# Altium PCB PCB1-nano-withlogo-SMT.PcbDoc (part 3 of 5)
Units mil, origin at the board's own origin, x right, y up, seen from the top; angles counter-clockwise.
Board outline 3300 x 2100 mil, 2 copper layers (Top Layer, Bottom Layer); 48 components, 47 nets, 232 pads, 66 vias.
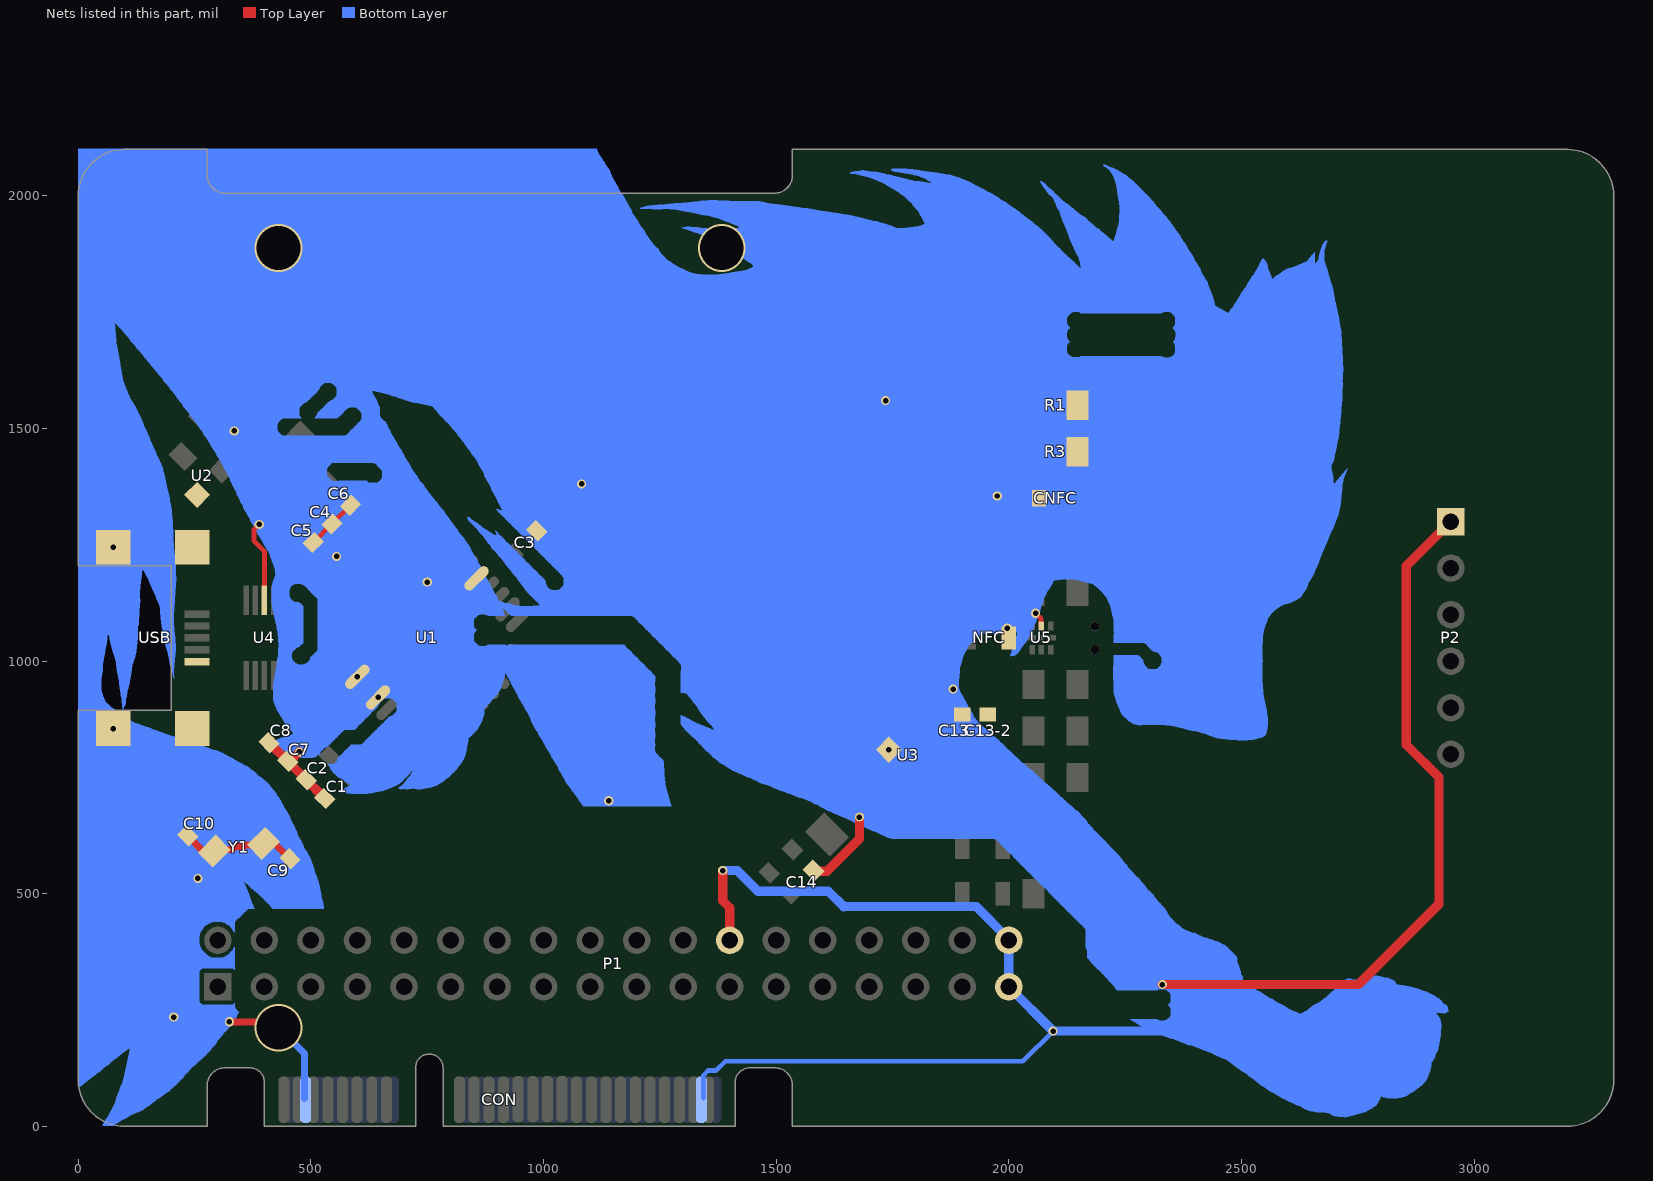
[diagram p3: the nets of this part, all layers, seen from the top]

## Via types
v1: diameter 19.68, hole 11.81, Top Layer to Bottom Layer, 55 vias
v2: diameter 20, hole 19.5, Top Layer to Bottom Layer, tented both sides, 8 vias
v3: diameter 102.36, hole 94.49, Top Layer to Bottom Layer, 3 vias

## Nets (pads, with @x,y where several pads share a name; then routed paths per layer and width w, separated by ;. In a path a pad name is that pad's centre, name@x,y a point inside that pad or via, vN(x,y) a via of type N, cw(c..) or ccw(c..) an arc to the next point about the centre after c; other vN are vias at no path point) (continued)
GND: (continued)
  Bottom Layer w1: 215,1564 497,1564 ; 216,1562 494,1562 ; 216,1563 496,1563 ; 217,1561 493,1561 ; 218,1560 492,1560 ; 219,1558 490,1558 ; 219,1559 491,1559 ; 220,1557 489,1557 ; 221,1556 489,1556 ; 222,1554 483,1554 ; 222,1555 485,1555 ; 223,1553 482,1553 ; 224,1551 480,1551 ; 224,1552 481,1552 ; 225,1550 479,1550 ; 226,1548 477,1548 ; 226,1549 478,1549 ; 227,1547 476,1547 ; 228,1546 476,1546 ; 229,1545 475,1545 ; 230,1543 475,1543 ; 230,1544 475,1544 ; 231,1542 475,1542 ; 232,1541 475,1541 ; 233,1539 475,1539 ; 233,1540 475,1540 ; 234,1538 475,1538 ; 235,1537 475,1537 ; 236,1536 475,1536 ; 237,1535 475,1535 ; 238,1533 475,1533 ; 238,1534 475,1534 ; 239,1532 475,1532 ; 240,1530 475,1530 ; 240,1531 475,1531 ; 241,1529 475,1529 ; 242,1528 475,1528 ; 243,1526 476,1526 ; 243,1527 476,1527 ; 244,1525 477,1525 ; 245,1524 478,1524 ; 246,1522 439,1522 ; 246,1523 479,1523 ; 247,1521 437,1521 ; 248,1520 435,1520 ; 249,1519 434,1519 ; 250,1517 432,1517 ; 250,1518 433,1518 ; 251,1516 431,1516 ; 252,1515 430,1515 ; 253,1513 429,1513 ; 253,1514 430,1514 ; 254,1512 429,1512 ; 255,1511 429,1511 ; 256,1509 428,1509 ; 256,1510 428,1510 ; 257,1508 428,1508 ; 258,1506 428,1506 ; 258,1507 428,1507 ; 259,1505 428,1505 ; 260,1503 428,1503 ; 260,1504 428,1504 ; 261,1502 428,1502 ; 262,1500 428,1500 ; 262,1501 428,1501 ; 263,1499 428,1499 ; 264,1497 428,1497 ; 264,1498 428,1498 ; 265,1496 429,1496 ; 266,1494 429,1494 ; 266,1495 429,1495 ; 267,1493 430,1493 ; 268,1491 432,1491 ; 268,1492 431,1492 ; 269,1490 433,1490 ; 270,1488 435,1488 ; 270,1489 434,1489 ; 271,1487 436,1487 ; 272,1485 441,1485 ; 272,1486 438,1486 ; 273,1484 676,1484 ; 274,1482 677,1482 ; 274,1483 676,1483 ; 275,1481 678,1481 ; 276,1479 679,1479 ; 276,1480 678,1480 ; 277,1478 679,1478 ; 278,1476 680,1476 ; 278,1477 680,1477 ; 279,1474 682,1474 ; 279,1475 681,1475 ; 280,1473 682,1473 ; 281,1471 683,1471 ; 281,1472 683,1472 ; 282,1469 684,1469 ; 282,1470 684,1470 ; 283,1468 685,1468 ; 284,1466 686,1466 ; 284,1467 686,1467 ; 285,1465 687,1465 ; 286,1463 688,1463 ; 286,1464 688,1464 ; 287,1461 689,1461 ; 287,1462 689,1462 ; 288,1460 690,1460 ; 289,1458 691,1458 ; 289,1459 691,1459 ; 290,1456 692,1456 ; 290,1457 692,1457 ; 291,1455 693,1455 ; 292,1453 694,1453 ; 292,1454 694,1454 ; 293,1451 695,1451 ; 293,1452 695,1452 ; 294,1450 696,1450 ; 295,1448 697,1448 ; 295,1449 696,1449 ; 296,1447 698,1447 ; 297,1445 699,1445 ; 297,1446 698,1446 ; 298,1443 700,1443 ; 298,1444 699,1444 ; 299,1442 700,1442 ; 300,1440 701,1440 ; 300,1441 701,1441 ; 301,1438 702,1438 ; 301,1439 702,1439 ; 302,1437 703,1437 ; 303,1435 704,1435 ; 303,1436 704,1436 ; 304,1433 705,1433 ; 304,1434 705,1434 ; 305,1431 707,1431 ; 305,1432 706,1432 ; 306,1430 707,1430 ; 307,1428 708,1428 ; 307,1429 708,1429 ; 308,1426 545,1426 ; 308,1427 709,1427 ; 309,440 336,440 ; 309,1424 542,1424 ; 309,1425 543,1425 ; 310,1422 540,1422 ; 310,1423 541,1423 ; 311,364 336,364 ; 311,1420 538,1420 ; 311,1421 539,1421 ; 312,1419 537,1419 ; 313,439 336,439 ; 313,1417 535,1417 ; 313,1418 536,1418 ; 314,365 336,365 ; 314,1415 535,1415 ; 314,1416 535,1416 ; 315,1413 534,1413 ; 315,1414 534,1414 ; 316,438 336,438 ; 316,1412 534,1412 ; 317,366 336,366 ; 317,1410 534,1410 ; 317,1411 534,1411 ; 318,367 336,367 ; 318,437 336,437 ; 318,1408 534,1408 ; 318,1409 534,1409 ; 319,436 336,436 ; 319,1406 534,1406 ; 319,1407 534,1407 ; 320,368 336,368 ; 320,435 336,435 ; 320,1404 534,1404 ; 320,1405 534,1405 ; 321,369 336,369 ; 321,1402 534,1402 ; 321,1403 534,1403 ; 322,434 336,434 ; 322,1400 534,1400 ; 322,1401 534,1401 ; 323,370 336,370 ; 323,433 336,433 ; 323,1397 536,1397 ; 323,1398 536,1398 ; 323,1399 535,1399 ; 324,371 336,371 ; 324,1395 538,1395 ; 324,1396 537,1396 ; v1@324.84,217 v1(324.84,225) ; v1@324.84,218 v1(324.84,225) ; v1@324.84,219 v1(324.84,225) ; v1@324.84,220 v1(324.84,225) ; v1@324.84,221 v1(324.84,225) ; v1@324.84,222 v1(324.84,225) ; v1@324.84,223 v1(324.84,225) ; v1@324.84,224 v1(324.84,225) ; v1@324.84,226 v1(324.84,225) ; v1@324.84,227 v1(324.84,225) ; v1@324.84,228 v1(324.84,225) ; v1@324.84,229 v1(324.84,225) ; v1@324.84,230 v1(324.84,225) ; v1@324.84,231 v1(324.84,225) ; v1@324.84,232 v1(324.84,225) ; v1@324.84,233 v1(324.84,225) ; 325,372 336,372 ; 325,432 336,432 ; 325,1393 540,1393 ; 325,1394 539,1394 ; 326,373 336,373 ; 326,431 336,431 ; 326,1391 542,1391 ; 326,1392 541,1392 ; 327,374 336,374 ; 327,430 336,430 ; 327,1389 544,1389 ; 327,1390 543,1390 ; 328,375 336,375 ; 328,429 336,429 ; 328,1387 621,1387 ; 328,1388 547,1388 ; 329,376 336,376 ; 329,428 336,428 ; 329,1385 623,1385 ; 329,1386 622,1386 ; 330,377 336,377 ; 330,426 336,426 ; 330,427 336,427 ; 330,1383 738,1383 ; 330,1384 625,1384 ; 331,378 336,378 ; 331,425 336,425 ; 331,1380 741,1380 ; 331,1381 740,1381 ; 331,1382 739,1382 ; 332,379 336,379 ; 332,380 336,380 ; 332,423 336,423 ; 332,424 336,424 ; 332,1378 742,1378 ; 332,1379 742,1379 ; 333,263 336,263 ; 333,340 336,340 ; 333,381 336,381 ; 333,382 336,382 ; 333,422 336,422 ; 333,1376 744,1376 ; 333,1377 743,1377 ; 334,264 336,264 ; 334,339 336,339 ; 334,383 336,383 ; 334,384 336,384 ; 334,420 336,420 ; 334,421 336,421 ; 334,1374 745,1374 ; 334,1375 745,1375 ; 335,265 336,265 ; 335,338 336,338 ; 335,385 336,385 ; 335,418 336,418 ; 335,419 336,419 ; 335,1372 747,1372 ; 335,1373 746,1373 ; 336,1370 748,1370 ; 336,1371 747,1371 ; 337,1368 749,1368 ; 337,1369 749,1369 ; 338,1366 751,1366 ; 338,1367 750,1367 ; 339,1364 752,1364 ; 339,1365 751,1365 ; 340,1361 754,1361 ; 340,1362 753,1362 ; 340,1363 753,1363 ; 341,1359 756,1359 ; 341,1360 755,1360 ; 342,1357 757,1357 ; 342,1358 757,1358 ; 343,1355 759,1355 ; 343,1356 758,1356 ; 344,1354 760,1354 ; 345,1352 762,1352 ; 345,1353 761,1353 ; 346,1349 764,1349 ; 346,1350 763,1350 ; 346,1351 762,1351 ; 347,1347 766,1347 ; 347,1348 765,1348 ; 348,1344 768,1344 ; 348,1345 767,1345 ; 348,1346 766,1346 ; 349,1342 770,1342 ; 349,1343 769,1343 ; 350,1341 770,1341 ; 351,1339 772,1339 ; 351,1340 771,1340 ; 352,1337 774,1337 ; 352,1338 773,1338 ; 353,1335 775,1335 ; 353,1336 774,1336 ; 354,1333 777,1333 ; 354,1334 776,1334 ; 355,1331 778,1331 ; 355,1332 778,1332 ; 356,527 516,527 ; 356,1329 780,1329 ; 356,1330 779,1330 ; 357,526 516,526 ; 357,1327 782,1327 ; 357,1328 781,1328 ; 358,1325 783,1325 ; 358,1326 782,1326 ; 359,525 517,525 ; 359,1323 785,1323 ; 359,1324 784,1324 ; 360,524 361,524 ; 360,1322 786,1322 ; 361,523 362,523 ; 361,1320 787,1320 ; 361,1321 786,1321 ; 362,524 517,524 ; 362,1318 789,1318 ; 362,1319 788,1319 ; 363,523 517,523 ; 363,1316 790,1316 ; 363,1317 790,1317 ; 364,522 517,522 ; 364,1314 792,1314 ; 364,1315 791,1315 ; 365,519 518,519 ; 365,521 518,521 ; 365,1312 793,1312 ; 365,1313 792,1313 ; 366,518 518,518 ; 366,520 518,520 ; 366,1311 794,1311 ; 367,517 518,517 ; 367,1309 795,1309 ; 367,1310 794,1310 ; 368,1307 796,1307 ; 368,1308 796,1308 ; 369,516 370,516 ; 369,1305 798,1305 ; 369,1306 797,1306 ; 370,515 371,515 ; 370,1303 799,1303 ; 370,1304 798,1304 ; 371,514 372,514 ; 371,516 519,516 ; 371,1302 800,1302 ; 372,513 373,513 ; 372,515 519,515 ; 372,1300 801,1300 ; 372,1301 801,1301 ; 373,512 374,512 ; 373,514 519,514 ; 373,1298 803,1298 ; 373,1299 802,1299 ; 374,511 375,511 ; 374,513 519,513 ; 374,1296 805,1296 ; 374,1297 804,1297 ; 375,512 519,512 ; 375,1294 v1(389,1294) 806,1294 ; 375,1295 805,1295 ; 376,511 520,511 ; 376,1292 808,1292 ; 376,1293 807,1293 ; 377,510 520,510 ; 377,1291 808,1291 ; 378,507 379,507 ; 378,509 520,509 ; 378,1289 810,1289 ; 378,1290 809,1290 ; 379,508 520,508 ; 379,1287 811,1287 ; 379,1288 810,1288 ; 380,507 520,507 ; 380,1285 813,1285 ; 380,1286 812,1286 ; 381,506 520,506 ; 381,1283 814,1283 ; 381,1284 813,1284 ; 382,505 521,505 ; 382,1281 815,1281 ; 382,1282 815,1282 ; 383,504 521,504 ; 383,1280 816,1280 ; 384,503 521,503 ; 384,1278 817,1278 ; 384,1279 817,1279 ; 385,1276 819,1276 ; 385,1277 818,1277 ; 386,502 521,502 ; 386,1274 821,1274 ; 386,1275 820,1275 ; 387,501 521,501 ; 387,1273 821,1273 ; 388,500 522,500 ; 388,1271 823,1271 ; 388,1272 822,1272 ; 389,499 522,499 ; 389,1269 825,1269 ; 389,1270 824,1270 ; 390,498 522,498 ; 390,1268 825,1268 ; 391,497 522,497 ; 391,1266 827,1266 ; 391,1267 826,1267 ; 392,496 522,496 ; 392,1264 829,1264 ; 392,1265 828,1265 ; 393,495 522,495 ; 393,1262 830,1262 ; 393,1263 829,1263 ; 394,494 522,494 ; 394,1261 831,1261 ; 395,493 522,493 ; 395,1259 832,1259 ; 395,1260 832,1260 ; 396,492 523,492 ; 396,1257 834,1257 ; 396,1258 833,1258 ; 397,491 523,491 ; 397,1255 835,1255 ; 397,1256 834,1256 ; 398,490 523,490 ; 398,1254 836,1254 ; 399,489 523,489 ; 399,1252 837,1252 ; 399,1253 836,1253 ; 400,488 524,488 ; 400,1250 838,1250 ; 400,1251 838,1251 ; 401,487 524,487 ; 401,1249 839,1249 ; 402,486 524,486 ; 402,1247 840,1247 ; 402,1248 840,1248 ; 403,485 525,485 ; 403,1245 841,1245 ; 403,1246 841,1246 ; 404,484 525,484 ; 404,1243 842,1243 ; 404,1244 842,1244 ; 405,483 525,483 ; 405,821 539,821 ; 405,822 540,822 ; 405,823 541,823 ; 405,1242 843,1242 ; 406,482 525,482 ; 406,1240 844,1240 ; 406,1241 843,1241 ; 407,481 526,481 ; 407,820 538,820 ; 407,824 542,824 ; 407,1238 845,1238 ; 407,1239 844,1239 ; 408,480 526,480 ; 408,1237 845,1237 ; 409,479 526,479 ; 409,819 537,819 ; 409,1235 847,1235 ; 409,1236 846,1236 ; 410,478 526,478 ; 410,1233 848,1233 ; 410,1234 847,1234 ; 411,477 526,477 ; 411,818 536,818 ; 411,825 543,825 ; 411,1230 850,1230 ; 411,1231 849,1231 ; 411,1232 848,1232 ; 412,476 526,476 ; 412,1228 851,1228 ; 412,1229 850,1229 ; 413,474 526,474 ; 413,475 526,475 ; 413,1226 852,1226 ; 413,1227 851,1227 ; 414,473 527,473 ; 414,826 544,826 ; 414,1223 854,1223 ; 414,1224 853,1224 ; 414,1225 853,1225 ; 415,472 527,472 ; 415,817 535,817 ; 415,1220 855,1220 ; 415,1221 855,1221 ; 415,1222 854,1222 ; 416,471 527,471 ; 416,827 545,827 ; 416,1124 477,1124 ; 416,1125 476,1125 ; 416,1126 475,1126 ; 416,1127 474,1127 ; 416,1128 465,1128 ; 416,1129 463,1129 ; 416,1130 461,1130 ; 416,1131 460,1131 ; 416,1132 459,1132 ; 416,1133 458,1133 ; 416,1134 457,1134 ; 416,1135 456,1135 ; 416,1136 455,1136 ; 416,1137 454,1137 ; 416,1138 454,1138 ; 416,1139 454,1139 ; 416,1140 453,1140 ; 416,1141 453,1141 ; 416,1142 453,1142 ; 416,1143 453,1143 ; 416,1144 453,1144 ; 416,1145 453,1145 ; 416,1146 453,1146 ; 416,1147 453,1147 ; 416,1148 453,1148 ; 416,1149 453,1149 ; 416,1150 453,1150 ; 416,1151 453,1151 ; 416,1152 453,1152 ; 416,1153 453,1153 ; 416,1154 453,1154 ; 416,1155 454,1155 ; 416,1156 454,1156 ; 416,1157 454,1157 ; 416,1158 455,1158 ; 416,1217 857,1217 ; 416,1218 856,1218 ; 416,1219 856,1219 ; 417,470 527,470 ; 417,1118 483,1118 ; 417,1119 482,1119 ; 417,1120 481,1120 ; 417,1121 480,1121 ; 417,1122 479,1122 ; 417,1123 478,1123 ; 417,1159 455,1159 ; 417,1160 456,1160 ; 417,1161 457,1161 ; 417,1162 458,1162 ; 417,1163 459,1163 ; 417,1164 460,1164 ; 417,1214 859,1214 ; 417,1215 858,1215 ; 417,1216 858,1216 ; 418,469 527,469 ; 418,1112 483,1112 ; 418,1113 483,1113 ; 418,1114 483,1114 ; 418,1115 483,1115 ; 418,1116 483,1116 ; 418,1117 483,1117 ; 418,1165 462,1165 ; 418,1166 465,1166 ; 418,1167 884,1167 ; 418,1168 883,1168 ; 418,1169 882,1169 ; 418,1170 882,1170 ; 418,1171 881,1171 ; 418,1212 860,1212 ; 418,1213 859,1213 ; 419,816 534,816 ; 419,828 546,828 ; 419,916 v1@652,916 ; 419,917 653,917 ; 419,918 654,918 ; 419,919 655,919 ; 419,920 658,920 ; 419,921 893,921 ; 419,922 893,922 ; 419,923 894,923 ; 419,924 895,924 ; 419,925 896,925 ; 419,926 896,926 ; 419,927 897,927 ; 419,928 898,928 ; 419,929 899,929 ; 419,930 900,930 ; 419,931 901,931 ; 419,932 902,932 ; 419,933 903,933 ; 419,934 903,934 ; 419,935 904,935 ; 419,936 905,936 ; 419,937 905,937 ; 419,938 906,938 ; 419,939 906,939 ; 419,940 907,940 ; 419,941 907,941 ; 419,942 908,942 ; 419,943 908,943 ; 419,944 908,944 ; 419,945 909,945 ; 419,946 909,946 ; 419,947 909,947 ; 419,948 910,948 ; 419,949 910,949 ; 419,950 910,950 ; 419,951 911,951 ; 419,952 911,952 ; 419,1107 483,1107 ; 419,1108 483,1108 ; 419,1109 483,1109 ; 419,1110 483,1110 ; 419,1111 483,1111 ; 419,1172 881,1172 ; 419,1173 880,1173 ; 419,1209 862,1209 ; 419,1210 861,1210 ; 419,1211 860,1211 ; 420,913 649,913 ; 420,914 v1@650,914 ; 420,915 v1@651,915 ; 420,953 911,953 ; 420,954 911,954 ; 420,955 912,955 ; 420,956 912,956 ; 420,957 912,957 ; 420,958 913,958 ; 420,1102 483,1102 ; 420,1103 483,1103 ; 420,1104 483,1104 ; 420,1105 483,1105 ; 420,1106 483,1106 ; 420,1174 880,1174 ; 420,1175 879,1175 ; 420,1176 879,1176 ; 420,1205 864,1205 ; 420,1206 863,1206 ; 420,1207 863,1207 ; 420,1208 862,1208 ; 421,911 648,911 ; 421,912 648,912 ; 421,959 913,959 ; 421,960 913,960 ; 421,961 913,961 ; 421,962 914,962 ; 421,963 914,963 ; 421,964 914,964 ; 421,1097 483,1097 ; 421,1098 483,1098 ; 421,1099 483,1099 ; 421,1100 483,1100 ; 421,1101 483,1101 ; 421,1177 878,1177 ; 421,1178 878,1178 ; 421,1202 866,1202 ; 421,1203 865,1203 ; 421,1204 865,1204 ; 422,815 530,815 ; 422,829 547,829 ; 422,907 646,907 ; 422,908 646,908 ; 422,909 646,909 ; 422,910 647,910 ; 422,965 915,965 ; 422,966 915,966 ; 422,967 915,967 ; 422,968 915,968 ; 422,969 916,969 ; 422,970 916,970 ; 422,971 916,971 ; 422,1092 483,1092 ; 422,1093 483,1093 ; 422,1094 483,1094 ; 422,1095 483,1095 ; 422,1096 483,1096 ; 422,1179 877,1179 ; 422,1180 877,1180 ; 422,1181 876,1181 ; 422,1182 876,1182 ; 422,1198 868,1198 ; 422,1199 868,1199 ; 422,1200 867,1200 ; 422,1201 866,1201 ; 423,904 644,904 ; 423,905 645,905 ; 423,906 645,906 ; 423,972 916,972 ; 423,973 917,973 ; 423,974 917,974 ; 423,975 917,975 ; 423,976 1232,976 ; 423,1087 483,1087 ; 423,1088 483,1088 ; 423,1089 483,1089 ; 423,1090 483,1090 ; 423,1091 483,1091 ; 423,1183 875,1183 ; 423,1184 875,1184 ; 423,1188 873,1188 ; 423,1189 873,1189 ; 423,1190 872,1190 ; 423,1191 872,1191 ; 423,1192 871,1192 ; 423,1193 871,1193 ; 423,1194 870,1194 ; 423,1195 870,1195 ; 423,1196 869,1196 ; 423,1197 869,1197 ; 424,830 548,830 ; 424,903 643,903 ; 424,977 1231,977 ; 424,978 1230,978 ; 424,979 1229,979 ; 424,980 1228,980 ; 424,981 1227,981 ; 424,982 1226,982 ; 424,983 1225,983 ; 424,1082 483,1082 ; 424,1083 483,1083 ; 424,1084 483,1084 ; 424,1085 483,1085 ; 424,1086 483,1086 ; 424,1185 874,1185 ; 424,1186 874,1186 ; 424,1187 874,1187 ; 425,814 528,814 ; 425,901 641,901 ; 425,902 642,902 ; 425,984 1224,984 ; 425,985 1223,985 ; 425,986 1222,986 ; 425,987 1221,987 ; 425,988 1220,988 ; 425,989 1219,989 ; 425,990 1218,990 ; 425,1078 483,1078 ; 425,1079 483,1079 ; 425,1080 483,1080 ; 425,1081 483,1081 ; 426,899 639,899 ; 426,900 640,900 ; 426,991 1217,991 ; 426,992 1216,992 ; 426,993 473,993 ; 426,994 469,994 ; 426,995 468,995 ; 426,996 467,996 ; 426,1074 483,1074 ; 426,1075 483,1075 ; 426,1076 483,1076 ; 426,1077 483,1077 ; 427,813 527,813 ; 427,831 549,831 ; 427,897 637,897 ; 427,898 638,898 ; 427,997 466,997 ; 427,998 465,998 ; 427,999 464,999 ; 427,1000 463,1000 ; 427,1070 483,1070 ; 427,1071 483,1071 ; 427,1072 483,1072 ; 427,1073 483,1073 ; 428,895 635,895 ; 428,896 636,896 ; 428,1001 462,1001 ; 428,1002 461,1002 ; 428,1003 460,1003 ; 428,1004 460,1004 ; 428,1066 483,1066 ; 428,1067 483,1067 ; 428,1068 483,1068 ; 428,1069 483,1069 ; 429,832 550,832 ; 429,893 633,893 ; 429,894 634,894 ; 429,1005 460,1005 ; 429,1006 460,1006 ; 429,1007 459,1007 ; 429,1008 459,1008 ; 429,1009 459,1009 ; 429,1057 483,1057 ; 429,1058 483,1058 ; 429,1059 483,1059 ; 429,1060 483,1060 ; 429,1061 483,1061 ; 429,1062 483,1062 ; 429,1063 483,1063 ; 429,1064 483,1064 ; 429,1065 483,1065 ; 430,812 526,812 ; 430,892 632,892 ; 430,1010 459,1010 ; 430,1011 459,1011 ; 430,1012 459,1012 ; 430,1013 459,1013 ; 430,1014 459,1014 ; 430,1015 459,1015 ; 430,1016 459,1016 ; 430,1017 459,1017 ; 430,1018 460,1018 ; 430,1019 460,1019 ; 430,1020 460,1020 ; 430,1021 461,1021 ; 430,1022 461,1022 ; 430,1023 462,1023 ; 430,1024 463,1024 ; 430,1025 464,1025 ; 430,1026 465,1026 ; 430,1027 466,1027 ; 430,1028 467,1028 ; 430,1042 483,1042 ; 430,1043 483,1043 ; 430,1044 483,1044 ; 430,1045 483,1045 ; 430,1046 483,1046 ; 430,1047 483,1047 ; 430,1048 483,1048 ; 430,1049 483,1049 ; 430,1050 483,1050 ; 430,1051 483,1051 ; 430,1052 483,1052 ; 430,1053 483,1053 ; 430,1054 483,1054 ; 430,1055 483,1055 ; 430,1056 483,1056 ; 431,833 551,833 ; 431,890 630,890 ; 431,891 631,891 ; 431,1029 468,1029 ; 431,1030 470,1030 ; 431,1031 473,1031 ; 431,1032 475,1032 ; 431,1033 476,1033 ; 431,1034 477,1034 ; 431,1035 478,1035 ; 431,1036 479,1036 ; 431,1037 480,1037 ; 431,1038 481,1038 ; 431,1039 482,1039 ; 431,1040 483,1040 ; 431,1041 483,1041 ; 432,811 525,811 ; 432,888 628,888 ; 432,889 629,889 ; 433,886 626,886 ; 433,887 627,887 ; 434,834 552,834 ; 434,884 624,884 ; 434,885 625,885 ; 435,810 524,810 ; 435,883 623,883 ; 436,835 553,835 ; 436,881 621,881 ; 436,882 622,882 ; 437,880 620,880 ; 438,809 523,809 ; 438,878 618,878 ; 438,879 619,879 ; 439,836 554,836 ; 439,877 617,877 ; 440,875 615,875 ; 440,876 616,876 ; 441,808 522,808 ; 441,873 613,873 ; 441,874 614,874 ; 442,837 555,837 ; 442,872 612,872 ; 443,870 610,870 ; 443,871 611,871 ; 444,807 521,807 ; 444,869 609,869 ; 445,838 556,838 ; 445,867 607,867 ; 445,868 608,868 ; 446,806 521,806 ; 446,866 606,866 ; 447,865 605,865 ; 448,839 557,839 ; 448,864 604,864 ; 449,805 520,805 ; 449,862 602,862 ; 449,863 603,863 ; 450,861 601,861 ; 451,804 520,804 ; 451,840 558,840 ; 451,860 600,860 ; 452,858 598,858 ; 452,859 599,859 ; 453,857 597,857 ; 454,803 520,803 ; 454,841 559,841 ; 454,855 595,855 ; 454,856 596,856 ; 455,854 594,854 ; 456,853 572,853 ; 457,842 560,842 ; 457,852 570,852 ; 458,802 520,802 ; 458,851 569,851 ; 459,850 568,850 ; 460,801 519,801 ; 460,843 561,843 ; 460,849 567,849 ; 461,846 462,846 ; 461,848 566,848 ; 462,800 517,800 ; 462,844 562,844 ; 462,845 563,845 ; 462,847 565,847 ; 463,846 564,846 ; 464,799 516,799 ; 469,797 512,797 ; v1@472,796 510,796 ; 475,795 508,795 ; 479,1166 884,1166 ; 481,794 504,794 ; 482,1165 885,1165 ; 484,1164 885,1164 ; 485,993 1215,993 ; 486,1163 886,1163 ; 488,994 1214,994 ; 488,1162 886,1162 ; 489,1161 887,1161 ; 490,995 1213,995 ; 490,1160 888,1160 ; 491,996 1212,996 ; 491,1159 888,1159 ; 492,997 1211,997 ; 492,1158 889,1158 ; 493,998 1210,998 ; 493,1157 889,1157 ; 494,999 1209,999 ; 494,1155 890,1155 ; 494,1156 890,1156 ; 495,1000 1208,1000 ; 495,1154 891,1154 ; 496,1001 1207,1001 ; 496,1153 891,1153 ; 497,1002 1206,1002 ; 497,1003 1205,1003 ; 497,1152 892,1152 ; 498,1004 1204,1004 ; 498,1005 1203,1005 ; 498,1006 1202,1006 ; 498,1007 1201,1007 ; 498,1151 892,1151 ; 499,1008 1200,1008 ; 499,1150 893,1150 ; 500,1009 1199,1009 ; 500,1149 893,1149 ; 501,1010 1198,1010 ; 501,1148 894,1148 ; 502,1011 1197,1011 ; 502,1147 894,1147 ; 503,1012 1196,1012 ; 503,1146 895,1146 ; 504,1013 1195,1013 ; 504,1145 895,1145 ; 505,1014 1194,1014 ; 505,1144 896,1144 ; 506,1015 1193,1015 ; 506,1143 896,1143 ; 507,805 509,803 512,800 514,798 ; 507,1016 1192,1016 ; 507,1142 897,1142 ; 508,1017 1191,1017 ; 508,1141 898,1141 ; 508,1523 557,1523 ; 509,1018 1190,1018 ; 509,1140 898,1140 ; 509,1524 558,1524 ; 510,1019 1189,1019 ; 510,1139 899,1139 ; 510,1525 559,1525 ; 511,1020 1188,1020 ; 511,1138 899,1138 ; 511,1526 560,1526 ; 511,1527 561,1527 ; 512,1021 1187,1021 ; 512,1137 900,1137 ; 512,1528 562,1528 ; 512,1529 563,1529 ; 513,1022 1186,1022 ; 513,1136 900,1136 ; 513,1530 564,1530 ; 513,1531 565,1531 ; 513,1532 566,1532 ; 514,1023 1185,1023 ; 514,1135 901,1135 ; 514,1533 567,1533 ; 515,1024 1184,1024 ; 515,1025 1183,1025 ; 515,1026 1182,1026 ; 515,1027 1181,1027 ; 515,1028 1180,1028 ; 515,1029 1179,1029 ; 515,1030 1178,1030 ; 515,1031 1177,1031 ; 515,1032 1176,1032 ; 515,1033 862,1033 ; 515,1034 859,1034 ; 515,1035 858,1035 ; 515,1036 857,1036 ; 515,1037 856,1037 ; 515,1038 855,1038 ; 515,1039 854,1039 ; 515,1040 853,1040 ; 515,1041 852,1041 ; 515,1042 852,1042 ; 515,1043 851,1043 ; 515,1044 850,1044 ; 515,1045 850,1045 ; 515,1046 850,1046 ; 515,1047 850,1047 ; 515,1048 850,1048 ; 515,1049 850,1049 ; 515,1050 850,1050 ; 515,1051 850,1051 ; 515,1052 850,1052 ; 515,1053 850,1053 ; 515,1054 850,1054 ; 515,1055 850,1055 ; 515,1056 850,1056 ; 515,1057 850,1057 ; 515,1058 850,1058 ; 515,1059 850,1059 ; 515,1060 850,1060 ; 515,1061 851,1061 